# Allegro board AWR1243BOOST-Rev-A.brd
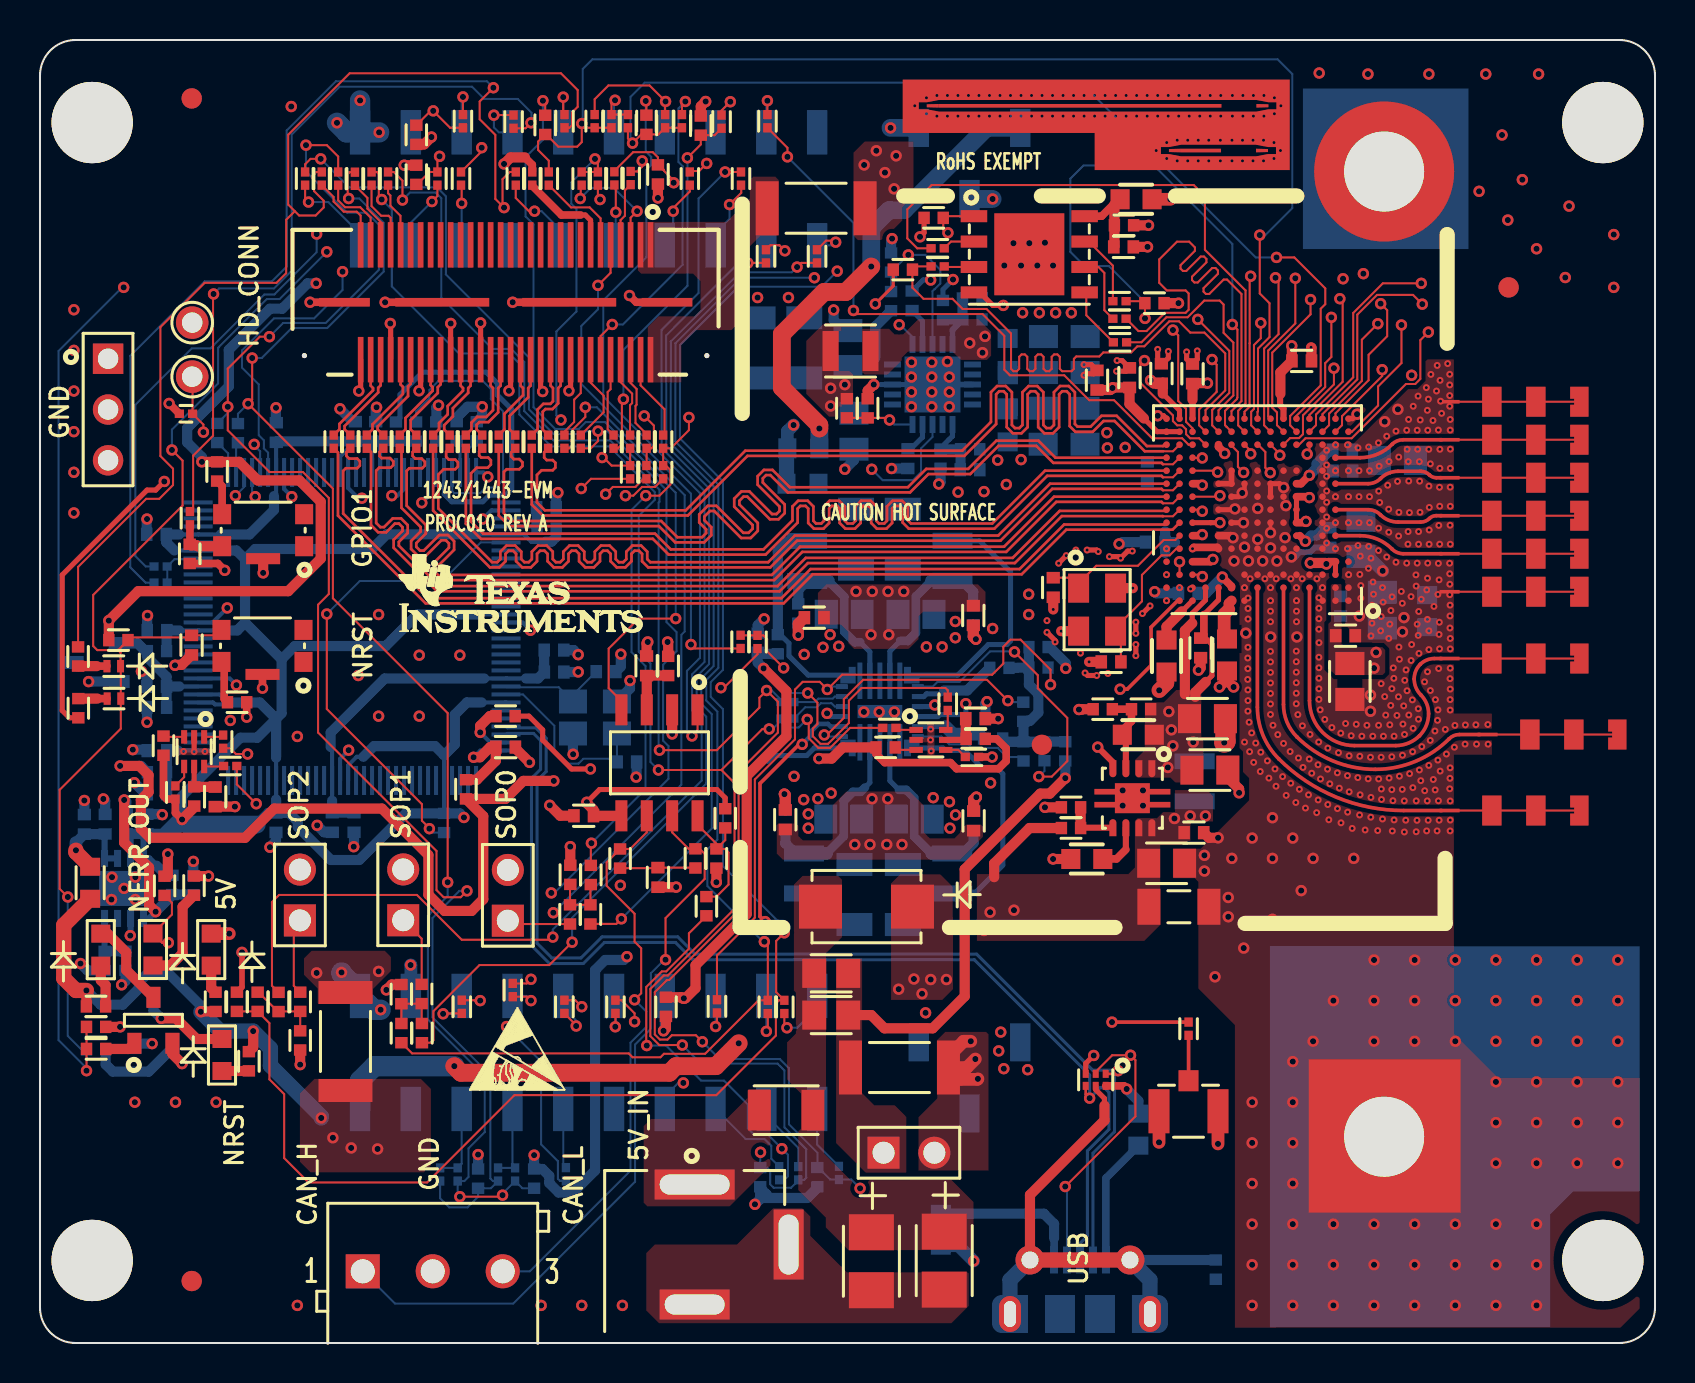
[diagram p0: board, top side]
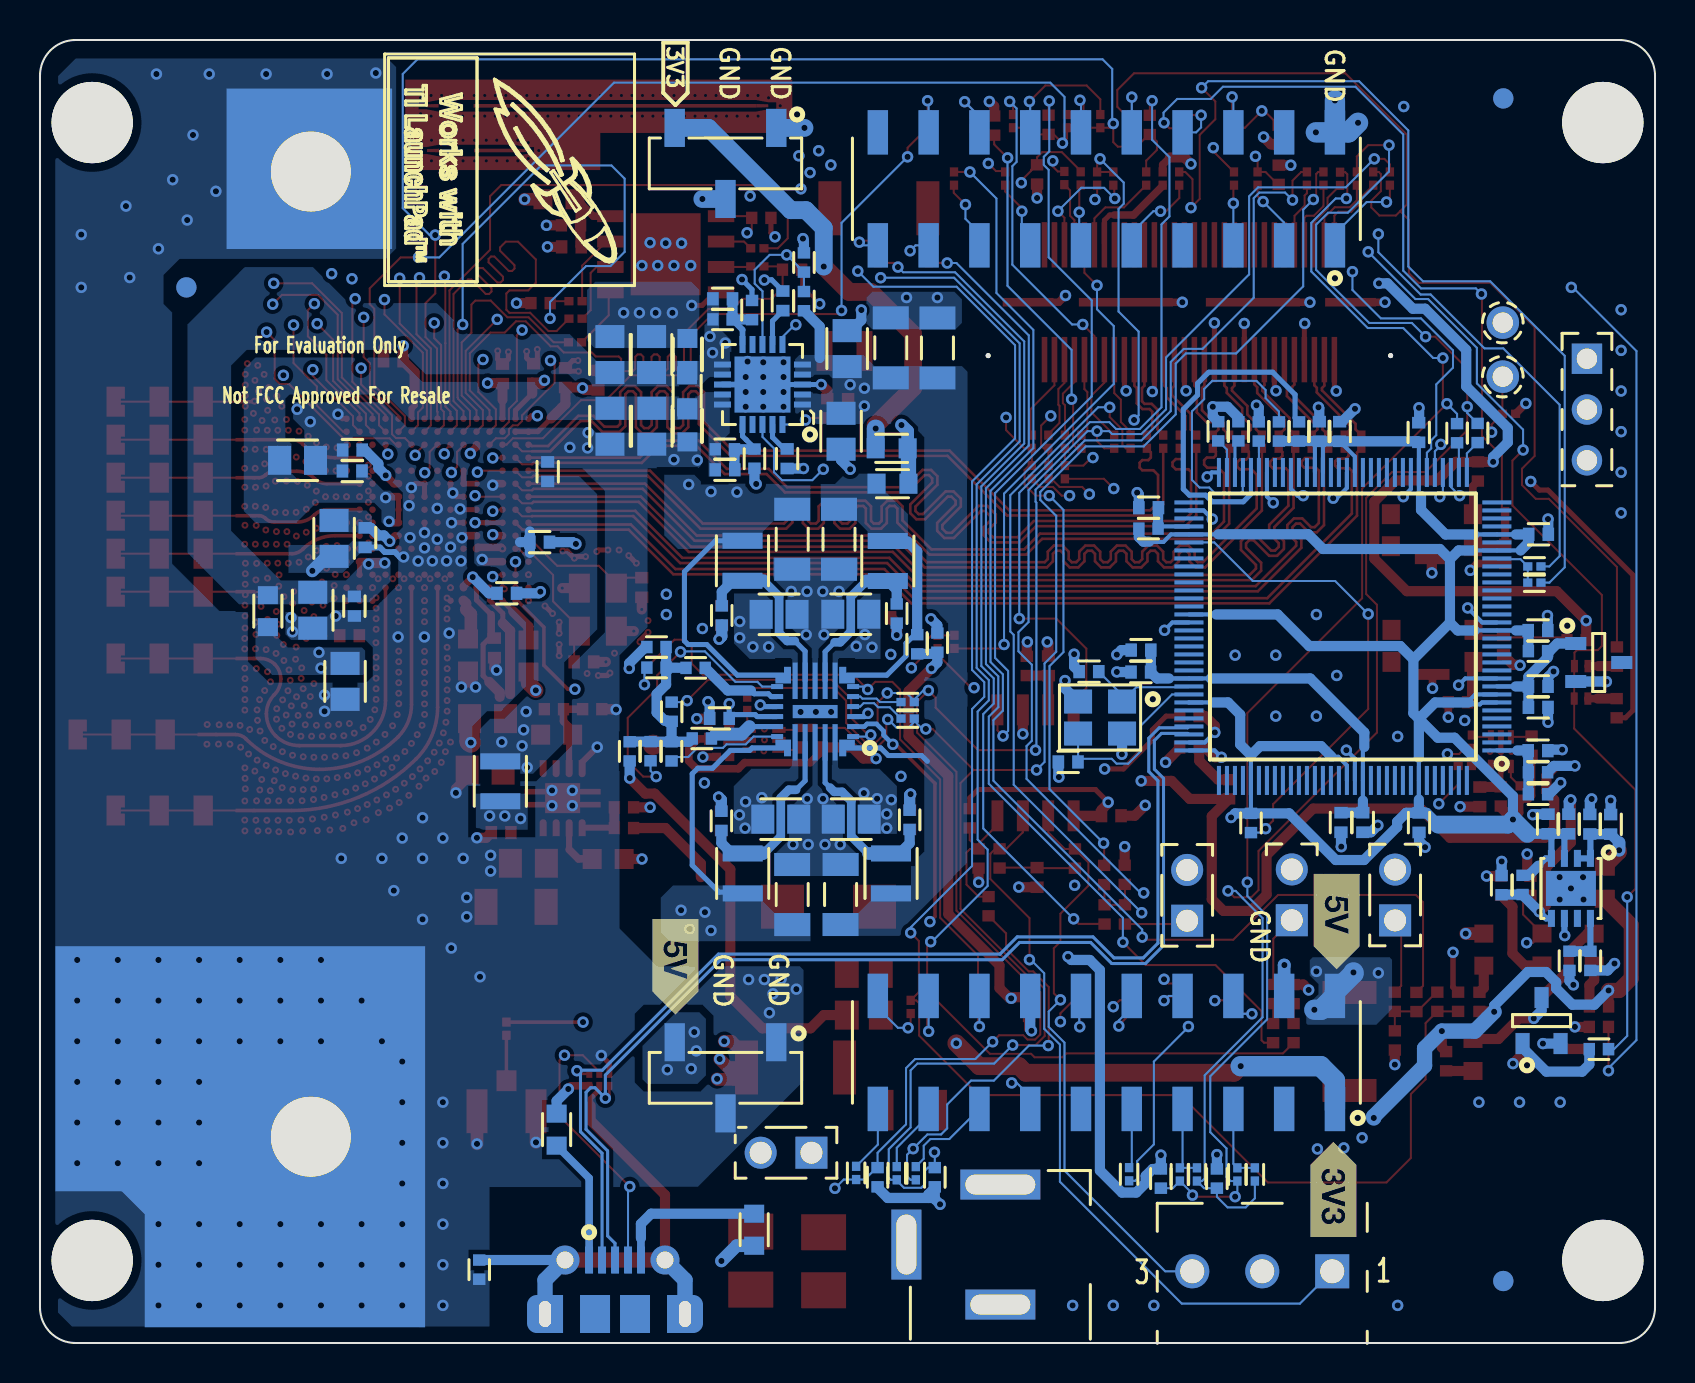
[diagram p1: board, bottom side, seen from below]

Outline 80.77 x 65.15 mm; copper layers: TOP, L2, L3, L4, L5, BOTTOM. Coordinates in mm from the lower left corner of the outline.
Outline path: 0,63.37 0,1.78 arc(0.52,0.52) 1.78,0 78.99,0 arc(80.25,0.52) 80.77,1.78 80.77,63.37 arc(80.25,64.63) 78.99,65.15 1.78,65.15 arc(0.52,64.63) 0,63.37

## Design rules (mm)
constraint set DEFAULT: min track width 0.102
net group DIFFPAIR0: nets AR_LVDS_VALIDM AR_LVDS_VALIDP
net group DIFFPAIR1: nets AR_LVDSCSI_FRCLKM AR_LVDSCSI_FRCLKP
net group DIFFPAIR2: nets AR_LVDSCSI_3M AR_LVDSCSI_3P
net group DIFFPAIR3: nets AR_LVDSCSI_2M AR_LVDSCSI_2P
net group DIFFPAIR4: nets AR_LVDSCSI_CLKM AR_LVDSCSI_CLKP
net group DIFFPAIR5: nets AR_LVDSCSI_1M AR_LVDSCSI_1P
net group DIFFPAIR6: nets AR_LVDSCSI_0M AR_LVDSCSI_0P
net group DIFFPAIR7: nets UNNAMED_6_QSH03001XD_I1_56 UNNAMED_6_QSH03001XD_I1_58
net group DIFFPAIR8: nets UNNAMED_6_QSH03001XD_I1_50 UNNAMED_6_QSH03001XD_I1_52
net group DIFFPAIR9: nets UNNAMED_6_QSH03001XD_I1_44 UNNAMED_6_QSH03001XD_I1_46
net group DIFFPAIR10: nets UNNAMED_6_QSH03001XD_I1_38 UNNAMED_6_QSH03001XD_I1_40
net group DIFFPAIR11: nets UNNAMED_6_QSH03001XD_I1_32 UNNAMED_6_QSH03001XD_I1_34
net group DIFFPAIR12: nets UNNAMED_6_QSH03001XD_I1_26 UNNAMED_6_QSH03001XD_I1_28
net group DIFFPAIR13: nets UNNAMED_6_QSH03001XD_I1_20 UNNAMED_6_QSH03001XD_I1_22
net group DIFFPAIR14: nets XDSET_1_DM XDSET_1_DP

## Placement (name value [footprint] x y rotation side)
C1  -  [CC0603]  54.82 57.19 180 top
C2  -  [CC0402]  54.19 54.81 180 top
C3  -  [CC0402]  63.1 49.11 180 top
C4  -  [CC0402]  56.09 48.48 270 top
C5  -  [CC0402]  57.64 48.46 270 top
C6  -  [CC0402]  54.49 48.27 270 top
C7  -  [CC0402]  52.87 48.14 270 top
C8  -  [CC0201]  7.3 46.46 0 top
C9  -  [CC0402]  50.68 37.78 90 top
C10  -  [CC0402]  65.29 35.37 180 top
C11  -  [CC0402]  7.58 34.89 90 top
C12  -  [CC0402]  58.05 34.75 90 top
C13  -  [CC0603]  59.36 34.4 90 top
C14  -  [CC0603]  56.34 34.35 90 top
C15  -  [CC0402]  53.57 34.06 0 top
C16  -  [CC0402]  30.34 33.86 270 top
C17  -  [CC0805]  58.39 31.22 180 top
C18  -  [CC0603]  54.93 30.41 0 top
C19  -  [CC0805]  58.51 28.65 180 top
C20  -  [CC0402]  27.19 26.36 0 top
C21  -  [CC0402]  57.71 25.52 180 top
C22  -  [CC0603]  52.35 24.2 0 top
C23  -  [CC0805]  56.35 23.99 180 top
C24  -  [CC0402]  30.91 23.28 90 top
C25  -  [CC1206]  56.96 21.81 180 top
C26  -  [CAPMP3528X210N]  45.22 4.12 270 top
C27  -  [CAPMP3528X210N]  41.58 4.09 270 top
C28  -  [CC0402]  46.63 52.21 0 bottom
C29  -  [CC0402]  43.62 52.11 270 bottom
C30  -  [CC1206]  38.22 49.76 270 bottom
C31  -  [CC1206]  35.89 49.75 270 bottom
C32  -  [CC0805]  40.4 49.72 270 bottom
C33  -  [CC0603]  48.39 49.43 270 bottom
C34  -  [CC0805]  52.27 49.42 270 bottom
C35  -  [CC0805]  50.19 49.42 270 bottom
C36  -  [CC0603]  48.39 45.86 90 bottom
C37  -  [CC0805]  50.17 45.84 90 bottom
C38  -  [CC0805]  52.27 45.84 90 bottom
C39  -  [CC0402]  65.15 44.65 180 bottom
C40  -  [CC0805]  40.71 45.59 90 bottom
C41  -  [CC0402]  16.79 45.58 270 bottom
C42  -  [CC0402]  15.77 45.58 270 bottom
C43  -  [CC0402]  11.82 45.53 270 bottom
C44  -  [CC0402]  43.41 44.22 90 bottom
C45  -  [CC0805]  67.89 44.13 0 bottom
C46  -  [CC0402]  46.51 43.66 0 bottom
C47  -  [CC0402]  65.16 43.6 180 bottom
C48  -  [CC0402]  55.38 43.57 270 bottom
C49  -  [CC0402]  25.33 41.77 180 bottom
C50  -  [CC0402]  5.83 40.43 0 bottom
C51  -  [CC0402]  64.51 40.27 90 bottom
C52  -  [CC0805]  66.06 40.23 90 bottom
C53  -  [CC0402]  55.78 40.04 0 bottom
C54  -  [CC1206]  43.15 40.19 90 bottom
C55  -  [CC1206]  40.81 40.19 90 bottom
C56  -  [CC0402]  57.43 37.49 0 bottom
C57  -  [CC0402]  65.05 36.84 90 bottom
C58  -  [CC0805]  67.13 36.64 90 bottom
C59  -  [CC0805]  40.22 36.44 180 bottom
C60  -  [CC0805]  43.81 36.43 0 bottom
C61  -  [CC0402]  5.85 35.63 0 bottom
C62  -  [CC0402]  25.71 34.65 180 bottom
C63  -  [CC0402]  28.31 33.57 180 bottom
C64  -  [CC0402]  25.71 33.55 180 bottom
C65  -  [CC0805]  65.52 33.08 90 bottom
C66  -  [CC0402]  5.84 32.83 0 bottom
C67  -  [CC0402]  5.84 31.78 0 bottom
C68  -  [CC0402]  46.79 31.23 180 bottom
C69  -  [CC0402]  5.85 29.62 0 bottom
C70  -  [CC0402]  29.35 29.06 180 bottom
C71  -  [CC0402]  23.29 29.79 180 top
C72  -  [CC0805]  43.72 26.19 0 bottom
C73  -  [CC0805]  40.2 26.19 180 bottom
C74  -  [CC0402]  15.71 26.03 90 bottom
C75  -  [CC0402]  14.62 26.03 90 bottom
C76  -  [CC0402]  11.8 26.02 90 bottom
C77  -  [CC0402]  5.35 25.95 270 bottom
C78  -  [CC0402]  4.31 25.95 270 bottom
C79  -  [CC0402]  3.26 25.94 270 bottom
C80  -  [CC0402]  2.22 25.93 270 bottom
C81  -  [CC1206]  40.73 22.43 270 bottom
C82  -  [CC1206]  43.15 22.42 270 bottom
C83  -  [CC0805]  65.51 33.07 90 top
C84  -  [CC0402]  46.79 31.22 180 top
C85  -  [CC0402]  8.76 27.31 90 top
C86  -  [CC0402]  38.72 36.27 180 top
C87  -  [CC0402]  46.68 36.38 270 top
C88  -  [CC0402]  37.27 26.17 90 top
C89  -  [CC0402]  46.69 26.11 90 top
D1  -  [DFN100X60X50-2N]  3.69 33.84 0 top
D2  -  [DFN100X60X50-2N]  3.7 32.22 0 top
D3  -  [DIOM5436X295N]  41.34 21.82 0 top
DS1  -  [LED0603]  5.65 19.68 270 top
DS2  -  [LED0603]  8.56 19.67 270 top
DS3  -  [LED0603]  3.04 19.67 270 top
DS4  -  [LED0603]  9.1 14.4 270 top
F1  -  [FUSE1206]  37.32 11.64 0 top
FB1  -  [FB0805]  39.57 16.4 0 top
FB2  -  [FB0805]  39.57 18.48 0 top
J1  -  [SAMTEC_QSH-030-01-X-D-A]  23.29 52.04 180 top
J2  -  [CINCH_128-0711-201]  57.44 11.59 90 top
J3  -  [OST_OSTTE030161]  16.14 3.59 0 top
J4  -  [SAMTEC_SSM-103-XX-SV]  46.49 58.98 0 bottom
J5  -  [SAMTEC_SSM-110-XX-DV]  27.44 57.71 180 bottom
J6  -  [SAMTEC_SSM-110-XX-DV]  27.44 14.53 180 bottom
J7  -  [SAMTEC_SSM-103-XX-SV]  46.49 13.26 0 bottom
J8  -  [MOLEX_105017-0001]  52.01 1.6 180 bottom
L1  -  [INDC2520X120N]  45.64 39.11 90 bottom
L2  -  [INDC2520X120N]  38.37 39.1 270 bottom
L3  -  [INDC2520X120N]  45.63 23.48 270 bottom
L4  -  [INDC2520X120N]  38.21 23.48 90 bottom
L5  -  [INDC2520X120N]  40.54 49.6 0 top
L6  -  [INDC2520X120N]  57.75 28.09 90 bottom
NOREF  -  []  46.63 22.23 90 top
NOREF#2  -  []  42.68 57.71 0 top
NOREF#3  -  []  48.51 1.45 90 top
NOREF#4  -  []  37.21 22.23 90 top
NOREF#5  -  []  52.66 4.15 0 top
NOREF#6  -  []  54.96 28.72 0 top
NOREF#7  -  []  43.95 15.04 0 top
NOREF#8  -  []  44.64 37.86 90 top
NOREF#9  -  []  56.75 29.34 0 top
NOREF#10  -  []  9.11 39.84 90 top
NOREF#11  -  []  7.13 15.46 90 top
NOREF#12  -  []  43.6 29.75 90 top
NOREF#13  -  []  13 21.13 90 top
NOREF#14  -  []  45.64 38.11 90 top
NOREF#15  -  []  2.16 50.48 0 top
NOREF#16  -  []  3.19 33.54 0 top
NOREF#17  -  []  40.01 33.82 0 top
NOREF#18  -  []  23.4 21.11 90 top
NOREF#19  -  []  15.23 52.04 0 top
NOREF#20  -  []  46.63 53.8 90 top
NOREF#21  -  []  50.3 11.99 90 top
NOREF#22  -  []  36.33 11.7 0 top
NOREF#23  -  []  4.72 14.97 0 top
NOREF#24  -  []  42.19 9.51 0 top
NOREF#25  -  []  51.62 38.27 0 top
NOREF#26  -  []  3.23 24.23 0 top
NOREF#27  -  []  4.21 16.8 0 top
NOREF#28  -  []  14.74 17.07 0 top
NOREF#29  -  []  3.36 32.22 0 top
NOREF#30  -  []  33.94 48.42 90 top
NOREF#31  -  []  26.15 30.02 90 top
NOREF#32  -  []  14.74 11.99 90 top
NOREF#33  -  []  39.29 48.6 0 top
NOREF#34  -  [unnamed#2]  67.23 10.31 0 top
NOREF#35  -  []  19.44 19.87 90 top
NOREF#36  -  []  43.64 49.93 0 top
NOREF#37  -  []  4.19 33.54 90 top
NOREF#38  -  []  5.25 18.88 0 top
NOREF#39  -  []  55.94 10.29 90 top
NOREF#40  -  []  54.12 35.07 90 top
NOREF#41  -  []  40.92 8.24 90 top
NOREF#42  -  []  44.63 22.23 0 top
NOREF#43  -  []  8.7 13.6 0 top
NOREF#44  -  []  8.96 18.87 90 top
NOREF#45  -  []  52.08 12.66 0 top
NOREF#46  -  []  46.64 46.93 90 top
NOREF#47  -  []  39.54 49.6 0 top
NOREF#48  -  [unnamed#3]  78.16 4.13 0 top
NOREF#49  -  []  24.54 54.91 0 top
NOREF#50  -  []  5.67 17.29 0 top
NOREF#51  -  []  32.74 1.92 90 top
NOREF#52  -  [unnamed#3]  2.61 61.02 0 top
NOREF#53  -  []  4.21 15.47 90 top
NOREF#54  -  []  52.8 12.86 0 top
NOREF#55  -  []  53.66 25.77 90 top
NOREF#56  -  []  3.44 18.87 90 top
NOREF#57  -  []  3.35 33.84 0 top
NOREF#58  -  []  38.21 22.48 90 top
NOREF#59  -  []  41.01 30.03 0 top
NOREF#60  -  []  65.44 39.07 90 top
NOREF#61  -  []  9.08 34.06 0 top
NOREF#62  -  []  38.61 20.01 0 top
NOREF#63  -  []  4.72 14.97 90 top
NOREF#64  -  []  46.63 52.53 0 top
NOREF#65  -  []  55.69 36.47 90 top
NOREF#66  -  []  26.65 32.07 0 top
NOREF#67  -  []  12.63 48.42 0 top
NOREF#68  -  []  39.37 40.35 90 top
NOREF#69  -  []  16.04 49.17 90 top
NOREF#70  -  []  37.21 24.73 0 top
NOREF#71  -  []  2.16 42.86 90 top
NOREF#72  -  []  16.04 49.17 0 top
NOREF#73  -  []  43.95 60.76 0 top
NOREF#74  -  []  3.04 18.87 90 top
NOREF#75  -  []  6.05 18.88 90 top
NOREF#76  -  []  6.62 14.99 90 top
NOREF#77  -  []  44.06 20.01 90 top
NOREF#78  -  []  0 63.37 0 top
NOREF#79  -  []  9.11 39.84 0 top
NOREF#80  -  [unnamed#4]  73.45 52.78 0 top
NOREF#81  -  []  38.37 38.1 90 top
NOREF#82  -  []  37.37 42.85 0 top
NOREF#83  -  []  28.24 -5.78 0 top
NOREF#84  -  []  2.64 18.87 0 top
NOREF#85  -  []  42.64 53.93 0 top
NOREF#86  -  []  11.73 19.86 0 top
NOREF#87  -  []  14.74 60.25 0 top
NOREF#88  -  []  8.39 51.25 0 top
NOREF#89  -  []  4.2 31.92 90 top
NOREF#90  -  []  4.21 16.78 0 top
NOREF#91  -  []  13.23 30.66 0 top
NOREF#92  -  []  52.48 51.94 90 top
NOREF#93  -  []  23.31 32.03 90 top
NOREF#94  -  []  32.74 7.92 0 top
NOREF#95  -  []  19.64 3.59 0 top
NOREF#96  -  [unnamed#3]  78.16 61.02 0 top
NOREF#97  -  []  40.01 33.82 90 top
NOREF#98  -  []  3.4 46.67 90 top
NOREF#99  -  []  37.24 -5.78 90 top
NOREF#100  -  []  8.61 28.83 90 top
NOREF#101  -  []  13.22 49.37 0 top
NOREF#102  -  []  55.69 46.87 0 top
NOREF#103  -  []  24.89 -0.01 90 top
NOREF#104  -  []  56.13 25.74 90 top
NOREF#105  -  []  57.75 27.09 90 top
NOREF#106  -  [unnamed#2]  67.23 58.57 0 top
NOREF#107  -  []  50.3 57.71 90 top
NOREF#108  -  []  24.67 19.84 90 top
NOREF#109  -  [unnamed#4]  7.59 3.1 0 top
NOREF#110  -  []  14.27 19.86 90 top
NOREF#111  -  []  14.74 55.17 90 top
NOREF#112  -  []  51.94 35.59 90 top
NOREF#113  -  []  9.08 34.06 90 top
NOREF#114  -  []  41.79 48.6 90 top
NOREF#115  -  []  44.64 40.36 0 top
NOREF#116  -  []  2.71 21.23 90 top
NOREF#117  -  []  39.04 21.82 0 top
NOREF#118  -  [unnamed#3]  2.61 4.13 0 top
NOREF#119  -  []  55.94 12.89 0 top
NOREF#120  -  []  56.75 26.84 90 top
NOREF#121  -  []  8.56 18.87 90 top
NOREF#122  -  []  18.17 21.14 90 top
NOREF#123  -  []  5.65 18.88 90 top
NOREF#124  -  []  8.61 42.83 0 top
NOREF#125  -  []  36.33 54.88 0 top
NOREF#126  -  []  48.51 1.45 0 top
NOREF#127  -  []  55.97 11.59 0 top
NOREF#128  -  [unnamed#4]  7.59 62.23 0 top
NOREF#129  -  []  78.99 0 90 top
NOREF#130  -  []  52.08 13.66 0 top
NOREF#131  -  [unnamed#4]  50.11 29.91 0 top
NOREF#132  -  []  16.9 19.87 0 top
NOREF#133  -  []  8.39 48.54 0 top
NOREF#134  -  []  42.64 49.93 90 top
NOREF#135  -  []  42.68 11.99 0 top
NOREF#136  -  []  22.13 19.84 0 top
NOREF#137  -  []  8.16 18.87 0 top
NOREF#138  -  []  9.5 13.6 90 top
NOREF#139  -  []  9.1 13.6 90 top
NOREF#140  -  []  9.06 42.04 0 top
NOREF#141  -  []  40.92 8.24 0 top
NOREF#142  -  []  3.2 31.92 0 top
NOREF#143  -  []  26.15 30.02 0 top
NOREF#144  -  []  5.18 21.23 90 top
NOREF#145  -  []  45.63 22.48 90 top
NOREF#146  -  []  55.76 -1.1 90 top
NOREF#147  -  [unnamed#4]  73.45 52.78 180 bottom
NOREF#148  -  [unnamed#4]  7.59 62.23 180 bottom
NOREF#149  -  [unnamed#4]  7.59 3.1 180 bottom
P1  -  [MOLEX_22-28-4033]  3.4 49.21 0 top
P2  -  [MULTICOMP_2211S-02G]  18.17 21.14 90 top
P3  -  [MULTICOMP_2211S-02G]  13 21.13 90 top
P4  -  [MULTICOMP_2211S-02G]  23.4 21.11 90 top
P5  -  [MULTICOMP_2211S-02G]  42.19 9.51 0 top
P6  -  [CUI_PJ-002AH]  32.74 7.92 0 top
Q1  -  [SOT95P240X120-3N]  5.67 16.14 90 top
Q2  -  [SOT95P240X120-3N]  5.67 16.12 90 bottom
R1  -  [RC0201]  21.15 61.09 270 top
R2  -  [RC0201]  26.23 61.09 270 top
R3  -  [RC0201]  27.74 61.09 270 top
R4  -  [RC0201]  28.58 61.09 270 top
R5  -  [RC0201]  29.4 61.09 270 top
R6  -  [RC0201]  31.26 61.09 270 top
R7  -  [RC0201]  32.11 61.09 270 top
R8  -  [RC0201]  36.38 61.09 270 top
R9  -  [RC0201]  23.69 61.07 270 top
R10  -  [RC0201]  34.09 61.07 270 top
R11  -  [RC0402]  30.33 60.91 90 top
R12  -  [RC0402]  25.27 60.91 90 top
R13  -  [RC0402]  33.05 60.87 270 top
R14  -  [RC0402]  18.82 60.41 270 top
R15  -  [RC0402]  30.91 58.43 270 top
R16  -  [RC0402]  18.82 58.41 90 top
R17  -  [RC0201]  29.54 58.25 270 top
R18  -  [RC0201]  28.73 58.23 270 top
R19  -  [RC0201]  13.26 58.22 270 top
R20  -  [RC0201]  14.09 58.22 270 top
R21  -  [RC0201]  14.91 58.22 270 top
R22  -  [RC0201]  16.58 58.22 270 top
R23  -  [RC0201]  17.41 58.22 270 top
R24  -  [RC0201]  19.88 58.22 270 top
R25  -  [RC0201]  21.06 58.22 270 top
R26  -  [RC0201]  23.8 58.22 270 top
R27  -  [RC0201]  24.62 58.22 270 top
R28  -  [RC0201]  25.45 58.22 270 top
R29  -  [RC0201]  27.09 58.22 270 top
R30  -  [RC0201]  27.9 58.22 270 top
R31  -  [RC0201]  32.5 58.22 270 top
R32  -  [RC0201]  35.06 58.22 270 top
R33  -  [RC0201]  15.75 58.21 270 top
R34  -  [RC2010]  38.82 56.74 0 top
R35  -  [RC0201]  36.31 54.34 90 top
R36  -  [RC0201]  38.86 54.34 90 top
R37  -  [RC0402]  54.22 55.89 0 top
R38  -  [RC0402]  44.7 56.26 180 top
R39  -  [RC0201]  44.9 54.74 0 top
R40  -  [RC0201]  53.99 52.09 0 top
R41  -  [RC0402]  55.74 51.99 0 top
R42  -  [RC0201]  44.9 53.83 0 top
R43  -  [RC0402]  43.16 53.67 180 top
R44  -  [RC0201]  53.99 51.22 0 top
R45  -  [RC0201]  54.01 50.03 0 top
R46  -  [RC0402]  40.36 46.74 270 top
R47  -  [RC0402]  41.4 46.74 90 top
R48  -  [RC0201]  14.69 45.07 270 top
R49  -  [RC0201]  15.52 45.07 270 top
R50  -  [RC0201]  16.34 45.07 270 top
R51  -  [RC0201]  17.17 45.07 270 top
R52  -  [RC0201]  18 45.07 270 top
R53  -  [RC0201]  18.82 45.07 270 top
R54  -  [RC0201]  19.66 45.07 270 top
R55  -  [RC0201]  20.49 45.07 270 top
R56  -  [RC0201]  21.3 45.07 270 top
R57  -  [RC0201]  22.12 45.07 270 top
R58  -  [RC0201]  22.94 45.07 270 top
R59  -  [RC0201]  23.77 45.07 270 top
R60  -  [RC0201]  24.59 45.07 270 top
R61  -  [RC0201]  25.41 45.07 270 top
R62  -  [RC0201]  26.23 45.07 270 top
R63  -  [RC0201]  27.05 45.07 270 top
R64  -  [RC0201]  28.69 45.07 270 top
R65  -  [RC0201]  29.51 45.07 270 top
R66  -  [RC0201]  30.34 45.07 270 top
R67  -  [RC0201]  31.17 45.07 270 top
R68  -  [RC0402]  8.86 43.58 90 top
R69  -  [RC0201]  29.51 43.54 270 top
R70  -  [RC0201]  30.33 43.54 270 top
R71  -  [RC0201]  31.17 43.54 270 top
R72  -  [RC0201]  7.5 41.24 90 top
R73  -  [RC0402]  7.49 39.46 90 top
R74  -  [RC0402]  3.92 35.14 180 top
R75  -  [RC0201]  35.04 35.06 270 top
R76  -  [RC0201]  35.88 35.05 270 top
R77  -  [RC0402]  1.91 34.32 270 top
R78  -  [RC0402]  31.42 33.85 90 top
R79  -  [RC0402]  9.86 32.04 180 top
R80  -  [RC0402]  1.92 31.74 90 top
R81  -  [RC0402]  53.15 31.69 0 top
R82  -  [RC0402]  55.07 31.69 0 top
R83  -  [RC0402]  51.56 26.78 180 top
R84  -  [RC0402]  51.56 25.75 0 top
R85  -  [RC0402]  32.78 24.23 90 top
R86  -  [RC0402]  33.83 24.22 270 top
R87  -  [RC0402]  29.01 24.22 270 top
R88  -  [RC0402]  26.52 23.41 270 top
R89  -  [RC0402]  27.55 23.4 270 top
R90  -  [RC0402_40]  7.7 22.87 90 top
R91  -  [RC0402]  6.23 22.86 90 top
R92  -  [RC0402]  26.51 21.43 270 top
R93  -  [RC0402]  27.53 21.43 270 top
R94  -  [RC0201]  23.65 17.65 90 top
R95  -  [RC0402]  19.09 17.45 90 top
R96  -  [RC0402]  18.07 17.44 270 top
R97  -  [RC0402]  9.85 17.06 90 top
R98  -  [RC0402]  10.89 17.06 90 top
R99  -  [RC0402]  13.01 17.06 90 top
R100  -  [RC0402]  8.78 17.06 270 top
R101  -  [RC0402]  11.93 17.05 90 top
R102  -  [RC0201]  33.86 16.83 90 top
R103  -  [RC0402]  2.8 16.83 180 top
R104  -  [RC0201]  21.09 16.81 90 top
R105  -  [RC0201]  26.23 16.81 90 top
R106  -  [RC0201]  28.78 16.81 90 top
R107  -  [RC0402]  31.31 16.81 90 top
R108  -  [RC0201]  36.4 16.8 90 top
R109  -  [RC0201]  37.23 16.8 90 top
R110  -  [RC0402]  2.81 15.81 180 top
R111  -  [RC0201]  57.44 15.71 270 top
R112  -  [RC0402]  19.1 15.5 270 top
R113  -  [RC0402]  18.08 15.5 90 top
R114  -  [RC0402]  13.01 15.13 90 top
R115  -  [RC2010]  15.28 15.08 270 top
R116  -  [RC0402]  2.81 14.7 0 top
R117  -  [RC0402]  10.45 14.09 90 top
R118  -  [RC2010]  42.98 13.77 0 top
R119  -  [RC0402]  42.56 54.03 270 bottom
R120  -  [RC0402]  42.56 52.1 270 bottom
R121  -  [RC0402]  45.16 51.65 270 bottom
R122  -  [RC0402]  46.64 51.18 0 bottom
R123  -  [RC0402]  21.84 45.58 90 bottom
R124  -  [RC0402]  18.81 45.58 270 bottom
R125  -  [RC0402]  19.82 45.58 270 bottom
R126  -  [RC0402]  20.84 45.58 90 bottom
R127  -  [RC0402]  17.8 45.58 270 bottom
R128  -  [RC0402]  8.87 45.5 270 bottom
R129  -  [RC0402]  9.9 45.49 270 bottom
R130  -  [RC0603]  38.18 44.73 180 bottom
R131  -  [RC0402]  46.52 44.69 0 bottom
R132  -  [RC0402]  45.04 44.22 90 bottom
R133  -  [RC0603]  38.14 42.97 180 bottom
R134  -  [RC0402]  25.33 40.72 0 bottom
R135  -  [RC0201]  6.03 38.83 0 bottom
R136  -  [RC0201]  6.03 38.02 0 bottom
R137  -  [RC0603]  69.38 36.59 270 bottom
R138  -  [RC0402]  35.89 35.02 270 bottom
R139  -  [RC0402]  49.94 34.8 180 bottom
R140  -  [RC0402]  5.85 34.6 0 bottom
R141  -  [RC0402]  36.9 34.94 270 bottom
R142  -  [RC0402]  49.94 33.77 180 bottom
R143  -  [RC0402]  47.98 33.76 0 bottom
R144  -  [RC0201]  37.38 32.05 0 bottom
R145  -  [RC0402]  49.18 31.56 270 bottom
R146  -  [RC0201]  37.38 31.22 0 bottom
R147  -  [RC0402]  47.67 30.23 0 bottom
R148  -  [RC0402]  50.23 29.59 90 bottom
R149  -  [RC0402]  51.28 29.58 270 bottom
R150  -  [RC0402]  49.19 29.58 270 bottom
R151  -  [RC0402]  5.85 28.54 0 bottom
R152  -  [RC0402]  23.29 31.34 0 top
R153  -  [RC0402]  5.85 27.44 0 bottom
R154  -  [RC0402]  21.3 27.69 270 top
R155  -  [RC0402]  20.21 26 90 bottom
R156  -  [RC0402]  6.62 22.9 90 bottom
R157  -  [RC0402_40]  7.67 22.89 270 bottom
R158  -  [RC0402]  4.28 19.11 90 bottom
R159  -  [RC0402]  3.23 19.11 90 bottom
R160  -  [RC0402]  2.81 14.69 0 bottom
R161  -  [RC0603]  54.93 10.67 90 bottom
R162  -  [RC0201]  39.95 8.5 90 bottom
R163  -  [RC0201]  37.92 8.49 90 bottom
R164  -  [RC0201]  36.97 8.49 90 bottom
R165  -  [RC0201]  26.3 8.44 90 bottom
R166  -  [RC0201]  23.76 8.43 90 bottom
R167  -  [RC0201]  22.91 8.43 90 bottom
R168  -  [RC0201]  20.89 8.43 90 bottom
R169  -  [RC0201]  20.01 8.43 90 bottom
R170  -  [RC0402]  38.88 8.29 270 bottom
R171  -  [RC0402]  36.02 8.29 270 bottom
R172  -  [RC0402]  24.71 8.22 90 bottom
R173  -  [RC0402]  21.91 8.22 90 bottom
R174  -  [RC0402_40]  58.8 3.67 90 bottom
R175  -  [RC0603]  45.05 5.66 90 bottom
R176  -  [RC0603]  2.51 23.01 270 top
R177  -  [RC0402]  33.33 21.84 270 top
R178  -  [RC0402]  34.27 26.23 270 top
R179  -  [RC0402]  42.29 29.78 180 top
R180  -  [RC0201]  42.48 30.76 0 top
R181  -  [RC0201]  46.61 29.3 180 top
R182  -  [RC0201]  45.4 31.96 90 top
R183  -  [RC0402]  46.8 30.21 0 top
R184  -  [RC0402]  6.18 29.87 270 top
R185  -  [RC0201]  9.16 30.07 90 top
R186  -  [RC0201]  9.51 28.85 0 top
R187  -  [RC0402]  7.71 27.33 270 top
R188  -  [RC0201]  6.77 27.53 270 top
R189  -  [RC0603]  48.41 47.59 270 bottom
R190  -  [RC0402]  37.92 36.47 90 bottom
R191  -  [RC0402]  46.67 36.38 90 bottom
R192  -  [RC0402]  37.28 26.16 270 bottom
R193  -  [RC0402]  46.69 26.11 270 bottom
SW1  -  [SW_KMR2XXG]  11.16 40.64 180 top
SW2  -  [SW_KMR2XXG]  11.13 34.86 180 top
TP1  -  [TP_C163H102]  7.61 51.02 0 top
TP2  -  [TP_C163H102]  7.61 48.32 0 top
U1  -  [SON127P600X500X80_EPA-9N]  49.48 54.44 0 top
U2  -  [BGA161C65P15X15_1040X1040X120]  60.89 41.67 180 top
U3  -  [SOIC127P600X175-8N]  30.98 29.01 270 top
U4  -  [SON65P300X300X100-9]  54.63 27.24 270 top
U5  -  [QFN50P400X400X80_EPE-21N]  44.64 47.93 0 bottom
U6  -  [QFP40P1600X1600X120-128N]  15.61 35.83 0 bottom
U7  -  [SOT95P237X112-3N]  2.82 34.03 180 bottom
U8  -  [P87524BRNFRQ1_ES2_2_PRELIMINARY]  42.01 31.57 0 bottom
U9  -  [SON65P300X300X100_EPA-9N]  4.21 22.73 270 bottom
U10  -  [PSON50P100X145X60-6N]  52.8 13.16 270 top
U11  -  [SOTFL50P160X60-6N]  44.56 30.16 0 top
U12  -  [SOTFL50P160X60-6N]  7.71 29.57 270 top
Y1  -  [XTAL_CX3225SA]  52.87 36.67 270 top
Y2  -  [XTAL_NX3225SA]  27.75 31.27 0 bottom
